# KiCad board s100_ColorMagic-1.1-004.kicad_pcb (continued)
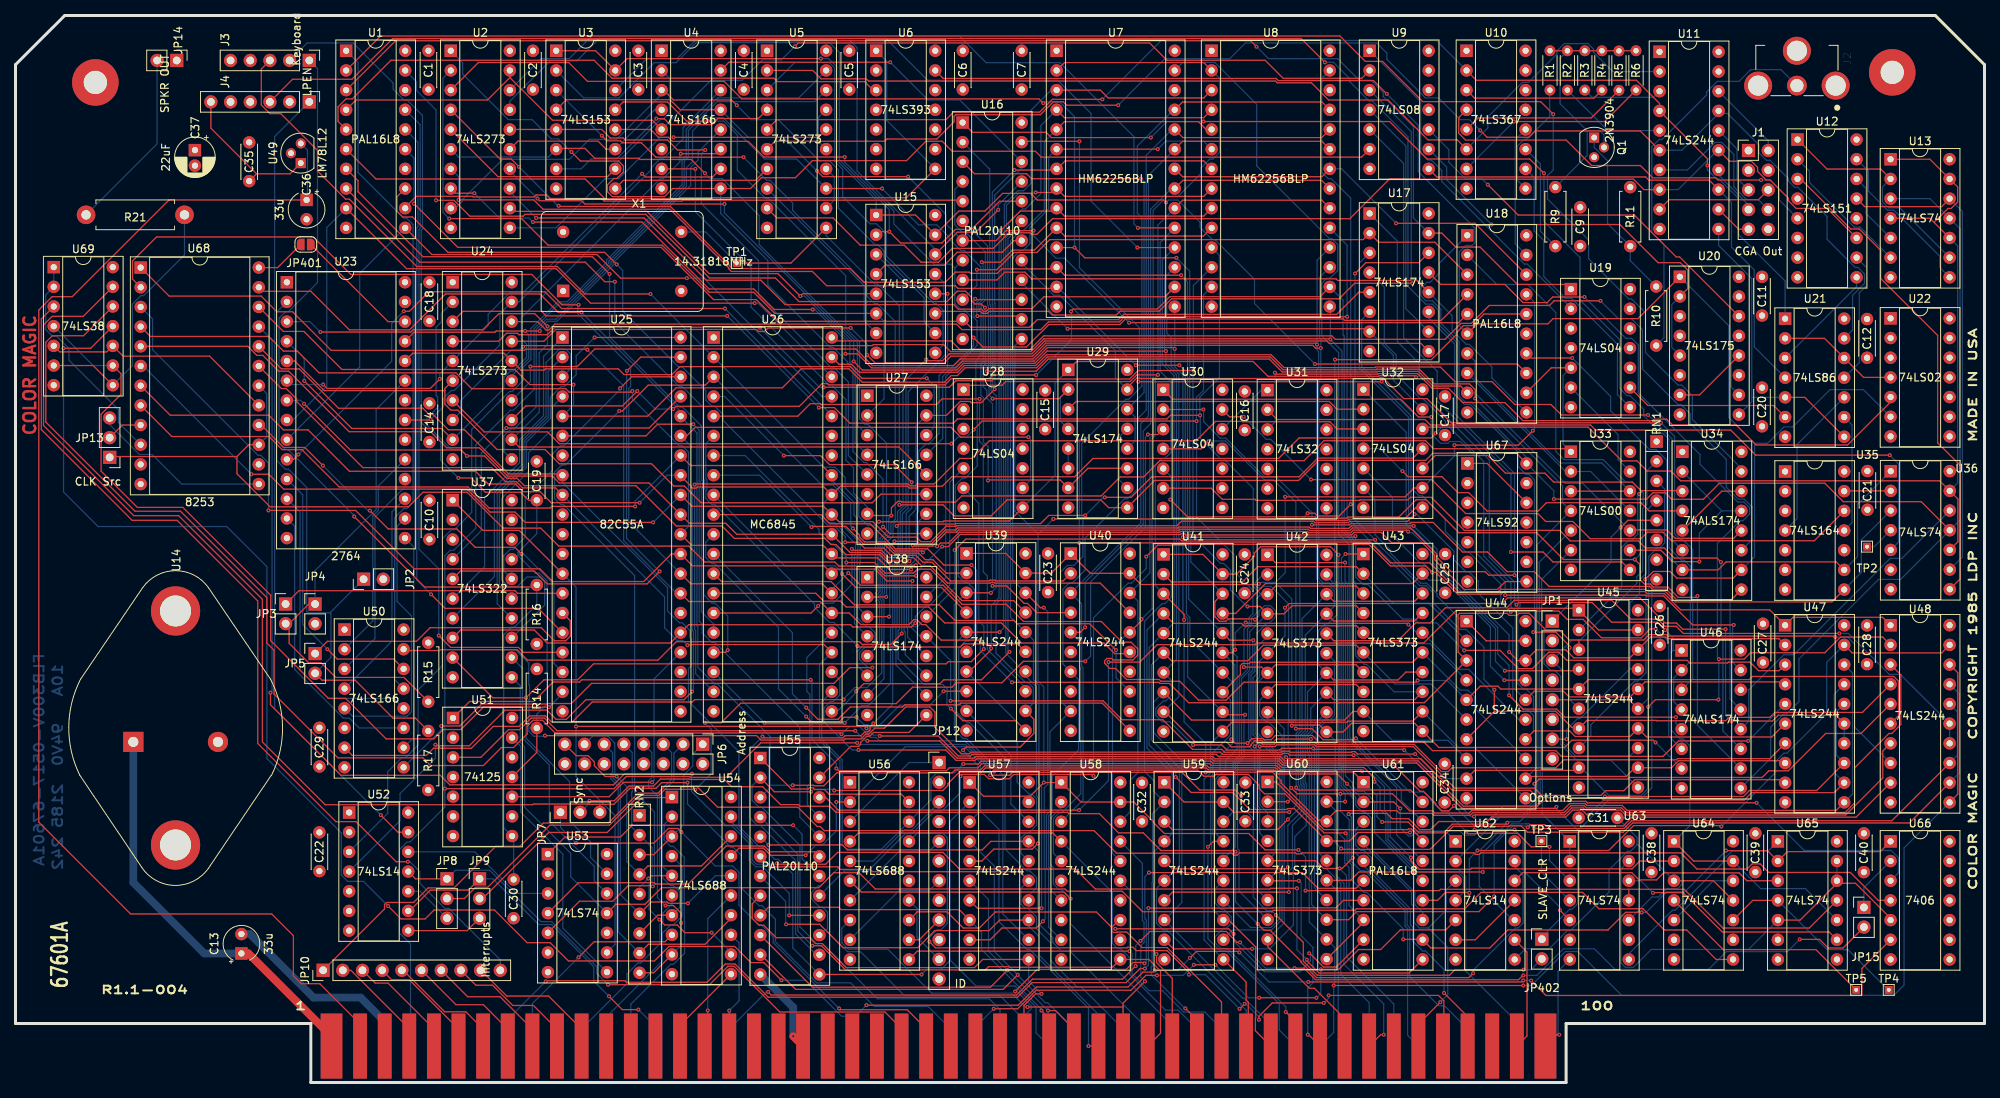
[diagram p0: board, top side]
## Routing (per net, layer and track width the routed paths; a pad name or vN(x,y) marks a point on that pad's centre or on a via; arc(x,y) is an arc through that point) (continued)
/VI0: length 13.9
  Component w0.152: P1.4 50.8,6.95 43.27,14.48 JP10.2
/VI1: length 14.6
  Component w0.152: P1.5 53.98,6.91 48.06,12.83 46.41,12.83 JP10.3
/VI2: length 15.2
  Component w0.152: JP10.4 48.49,13.28 50.77,13.28 57.15,6.9 P1.6
/VI3: length 15.8
  Component w0.152: P1.7 60.33,6.89 58.1,9.12 55.36,9.12 50,14.48 JP10.5
/VI4: length 16.5
  Component w0.152: 63.5,4.7 63.5,6.89 60.35,10.04 56.82,10.04 JP10.6
/VI5: length 17.1
  Component w0.152: P1.9 66.68,6.9 62.5,11.07 58.33,11.07 54.92,14.48
/VI6: length 17.7
  Component w0.152: JP10.8 59.39,12.56 61.53,12.56 64.14,9.94 66.81,9.94 69.85,6.9 P1.10
/VI7: length 18.4
  Component w0.152: 60,14.48 60.05,14.48 63.37,11.16 68.77,11.16 73.03,6.9 P1.11
/VSYNC_DLY: length 231
  Component w0.152: U20.1 209.31,98.59 198.35,98.59 197.68,97.91 188.55,97.91 U18.6 ; U34.10 221.59,65.1 214.29,65.1 213.44,65.95 211.26,65.95 v1(210.24,64.93) ; U6.13 119.68,129.58 162.61,129.58 162.89,129.3 175.18,129.3 v1(176.89,127.59)
  Copper w0.152: 224.34,82.49 226.01,82.49 228.13,84.61 229.26,84.61 234.08,89.43 238.37,89.43 U22.6 ; 224.34,82.49 224.34,67.85 U34.10 ; 224.34,82.49 221.01,85.83 221.01,97.67 U20.1 ; v1(176.89,127.59) 180.96,123.52 180.96,117.56 188.28,110.23 188.28,108.4 187.91,108.02 187.08,108.02 186.25,107.2 186.25,97.67 U18.6 ; U45.8 203.22,44.7 203.22,46.16 208.86,51.8 209.26,51.8 210.33,52.88 210.33,64.83 v1(210.24,64.93)
/WR: length 280.3
  Component w0.152: v1(176.3,33.62) 179.65,33.62 180.94,32.33 184.34,32.33 185.35,33.34 192.27,33.34 v1(192.45,33.52) ; U61.1 172.56,40.09 163.08,40.09 162.54,40.63 153.96,40.63 153.71,40.87 125,40.87 124.45,40.33 121.2,40.33 120.82,39.96 105.94,39.96 104.28,38.29 103.03,38.29 102.97,38.36 v1(100.26,38.36) ; v1(73.01,99.4) 70.02,99.4 67.64,101.77 55.46,101.77 50.82,97.13 43.08,97.13 38.1,102.11 31.91,102.11 U68.23
  Copper w0.152: v1(176.3,33.62) 175.62,34.31 175.62,37.03 U61.1 ; U62.10 193.15,20.96 188.82,25.28 188.82,29.43 189.05,29.66 189.05,30.12 v1(192.45,33.52) 192.59,33.66 194.03,33.66 196.68,36.31 196.68,48.03 196.56,48.16 196.56,67.15 U33.5 ; v1(73.01,99.4) 85.8,86.61 U25.36 85.8,85.94 87.91,83.83 87.91,77.51 88.06,77.36 88.06,76.97 87.91,76.82 87.91,58.93 88.02,58.82 88.02,53.59 90.17,51.44 90.56,51.44 97.34,44.66 97.34,38.36 ; 97.34,38.36 v1(100.26,38.36) ; 97.34,38.36 97.34,38.06 U55.3
A0: length 231.4
  Component w0.152: U68.19 34.29,89.56 34.91,89.56 36.27,88.2 36.27,87.88 44.8,79.36 61.4,79.36 63.24,77.52 64.63,77.52 65.41,76.74 69.66,76.74 U25.9 ; v1(145.64,15.37) 145.52,15.49 144.19,15.49 143.28,14.59 131.79,14.59 v1(128.95,11.75) ; v1(86.69,56.43) 86.77,56.52 104.3,56.52 U26.24 ; U61.6 172.91,25.06 168.03,25.06 165.99,27.09 v1(146.21,27.09)
  Copper w0.152: U55.15 104.33,19.65 104.56,19.65 ; U25.9 83.73,62.66 83.73,58.68 85.36,57.05 86.07,57.05 v1(86.69,56.43) ; 129.85,8.34 131.02,9.51 131.02,9.93 129.2,11.75 v1(128.95,11.75) ; 129.85,8.34 130.18,8.02 P1.79 ; 129.85,8.34 126.97,11.22 114.66,11.22 108.99,16.89 107.33,16.89 104.56,19.65 ; v1(146.21,27.09) 145.69,26.57 145.69,21.13 145.87,20.95 145.87,15.6 v1(145.64,15.37) ; U26.24 103.72,53.93 103.72,44.15 106.36,41.51 106.36,27.88 103.85,25.37 103.54,25.37 102.7,24.53 102.7,23.68 103.77,22.61 104.12,22.61 104.75,21.98 104.75,19.84 104.56,19.65
A1: length 183.6
  Component w0.152: U55.13 v1(116.87,13.94) ; U25.8 70.39,78.54 63.61,78.54 57.92,84.23 55.84,84.23 53.89,86.19 53.37,86.19 52.55,87.02 41.68,87.02 36.6,92.1 34.3,92.1 U68.20
  Copper w0.152: 120.58,15.78 119.42,14.62 117.56,14.62 v1(116.87,13.94) ; 120.58,15.78 123.9,12.46 128.92,12.46 131.65,9.73 131.65,6.4 P1.80 ; 120.58,15.78 120.58,33.69 123.08,36.2 ; U55.13 100.26,17.38 100.26,26.93 98.4,28.79 97.95,28.79 96.29,30.45 95.92,30.45 93.32,33.06 93.32,42.69 86.81,49.19 86.81,53.43 87.16,53.78 87.16,57.28 87,57.44 87,58.33 86,59.33 85.64,59.33 84.11,60.85 84.11,63.88 70.56,77.44 U25.8
A2: length 68
  Component w0.152: v1(129.28,13.9) 127.4,12.01 100.64,12.01 96.17,16.48 U55.11
  Copper w0.152: U57.4 126.27,27.93 126.27,16.92 v1(129.28,13.9) 129.28,13.85 132.85,10.29 133.15,10.29 136.53,6.91 P1.81
A3: length 63.1
  Component w0.152: v1(133.19,9.28) 134.17,9.28 136.53,6.92 P1.31 ; U55.10 102.8,12.3 125.77,12.3 v1(127.96,14.49)
  Copper w0.152: v1(133.19,9.28) 127.98,14.49 v1(127.96,14.49) 125.52,16.94 125.52,23.6 123.08,26.04
A4: length 48.6
  Component w0.152: v1(132.35,9.28) 133.35,8.28 P1.30 ; U55.9 97.13,22.61 106.21,22.61 106.51,22.32 121.72,22.32 U57.8
  Copper w0.152: U57.8 124.62,19.42 124.62,17.17 132.35,9.44 v1(132.35,9.28)
A5: length 55.4
  Component w0.152: U55.8 95.04,23.06 95.04,21.18 95.92,20.29 96.54,20.29 98.14,18.69 102.43,18.69 103.19,17.93 104.07,17.93 107.17,14.83 123.72,14.83 124.77,15.88 130.7,15.88 ; v1(132.35,11.44) 131.6,11.44 130.09,9.94 130.09,4.78 P1.29
  Copper w0.152: 130.7,15.88 130.7,13.09 v1(132.35,11.44)
A6: length 61.6
  Component w0.152: v1(99.41,20.42) 103.73,20.42 106.75,17.4 116.38,17.4 118.59,19.61 125.6,19.61 126.95,20.96 U57.13
  Copper w0.152: P1.82 139.7,8.77 132.02,16.45 132.02,18.86 130.7,20.18 U57.13 ; U55.7 99.35,23.37 99.35,20.48 v1(99.41,20.42)
A7: length 63.7
  Component w0.152: U55.6 97.43,27.83 106.09,27.83 106.43,27.49 110.27,27.49 110.55,27.21 129.53,27.21 130.7,26.04
  Copper w0.152: P1.83 142.88,6.93 137.5,12.31 136.96,12.31 133.54,15.72 133.54,18.01 131.71,19.84 131.71,21.38 130.61,22.47 130.26,22.47 129.69,23.04 129.69,25.03 130.7,26.04
A8: length 69.3
  Component w0.152: v1(97.14,30.66) 106.68,30.66 107.32,30.02 124.72,30.02 125.81,31.12 U57.17
  Copper w0.152: P1.84 146.05,6.92 135.96,17.01 134.88,17.01 133.82,18.07 133.82,18.67 132.08,20.41 132.08,22.08 131.89,22.27 131.89,24.78 132,24.89 132,29.82 U57.17 ; U55.5 v1(97.14,30.66)
A9: length 77.2
  Component w0.152: v1(102.8,17.65) 103.95,17.65 107.07,14.53 125.1,14.53 125.52,14.95 128.15,14.95 128.23,14.87 141.51,14.87 142.52,15.88 146.21,15.88 147.71,14.38 147.71,6.36 P1.34
  Copper w0.152: v1(102.8,17.65) 100.91,19.54 100.91,29.43 U55.4
A10: length 54.8
  Component w0.152: 141.41,20.03 139.43,22 126.4,22 124.34,19.94 122.26,19.94 120.16,22.03 116.34,22.03 U56.13 ; 141.41,20.03 141.41,19.6 141.64,19.36 142.04,19.36 142.1,19.43 143.33,19.43 145.34,17.41 148.56,17.41 155.58,10.4 P1.37 ; 141.41,20.03 142.34,20.96 U58.13
A11: length 58.2
  Component w0.152: v1(143.71,16.95) 116.34,16.95 115.27,15.88
  Copper w0.152: 142.52,26.04 143.71,24.85 v1(143.71,16.95) 144.03,16.63 144.03,14.04 146.23,11.85 147.95,11.85 150.7,9.09 153.42,9.09 155.58,6.94 P1.87
A12: length 72.3
  Component w0.152: 142.88,9.75 142.88,10.24 v1(145.69,13.06) ; 142.88,9.75 P1.33 ; 142.88,9.75 v1(130.55,9.75)
  Copper w0.152: U58.17 145.36,28.28 145.36,20.92 145.59,20.69 145.59,18.09 145.16,17.67 145.16,13.59 v1(145.69,13.06) ; U56.8 106.59,19.91 106.59,18.04 107.44,17.19 112.53,17.19 118.19,11.54 128.51,11.54 130.3,9.75 v1(130.55,9.75)
A13: length 68.1
  Component w0.152: v1(136.1,23.73) 135.25,24.58 109.11,24.58 107.65,26.04
  Copper w0.152: 134.9,36.2 134.9,35.5 133.56,34.16 133.56,28.06 133.9,27.72 133.9,25.62 134.62,24.9 134.93,24.9 v1(136.1,23.73) 136.1,20.47 149.23,7.35 P1.85
A14: length 102.3
  Component w0.152: v1(157.14,19.18) 156.49,19.84 v1(141.87,19.84) ; U58.4 133.81,32.21 108.74,32.21 U56.4 ; v1(166.88,16.68) 166.96,16.68 168.74,14.9 170.37,14.9 U61.9
  Copper w0.152: v1(157.14,19.18) 157.14,18.26 161.1,14.3 165.69,14.3 167.05,15.66 167.05,16.52 v1(166.88,16.68) ; 141.51,19.84 v1(141.87,19.84) ; 141.51,19.84 141.51,24.51 U58.4 ; 141.51,19.84 141.51,17.94 142.16,17.28 142.55,17.28 143.73,16.1 143.73,13.95 148.33,9.34 149.98,9.34 152.4,6.92 P1.86
A15: length 85.7
  Component w0.152: 107.65,36.2 v1(105.89,36.2) ; v1(101.93,29.32) 97.4,29.32 96.48,30.24 93.32,30.24 U54.17 ; P1.32 v1(138.42,4.7)
  Copper w0.152: 107.65,36.2 114.79,43.34 122.42,43.34 124.46,41.3 124.46,35.08 126.87,32.67 126.87,20.77 130.49,17.15 130.85,17.15 138.42,9.58 v1(138.42,4.7) ; v1(101.93,29.32) 103.24,30.63 104.05,30.63 105.89,32.47 v1(105.89,36.2)
A16: length 20.8
  Component w0.152: P1.16 89.3,5.09 v1(89.3,9.3)
  Copper w0.152: U54.15 89.3,21.14 v1(89.3,9.3)
A17: length 15.3
  Component w0.152: P1.17 v1(92.08,9.28)
  Copper w0.152: v1(92.08,9.28) 93.34,10.54 93.34,18.02 U54.13
A18: length 12
  Component w0.152: U54.11 85.72,7.41 P1.15
A19: length 27.2
  Component w0.152: v1(72.63,16.15) 74.64,18.16 83.78,18.16 U54.8
  Copper w0.152: v1(72.63,16.15) 66.68,10.19 P1.59
A20: length 24.5
  Copper w0.152: P1.61 73.03,6.93 78.88,12.78 78.88,14.01 80.29,15.43 80.66,15.43 83.12,17.89 83.12,20.39 83.52,20.79 83.52,21.86 84.68,23.02 U54.6
A21: length 29.3
  Copper w0.152: P1.62 76.2,8.44 83.45,15.69 83.45,19.26 84.52,20.33 84.84,20.33 85.98,21.47 85.98,27.92 U54.4
A22: length 34.4
  Copper w0.152: P1.63 79.38,10.11 84.52,15.25 84.87,15.25 86.31,16.69 86.31,20.78 86.27,20.83 86.27,29.09 84.86,30.49 84.49,30.49 83.68,31.31 83.68,33.29 U54.2
A23: length 45.1
  Component w0.152: v1(76.55,11.13) 78.28,9.41 v1(80.35,9.41) ; JP9.1 58.41,24.83 53.51,24.83 50.82,22.15 U52.9
  Copper w0.152: v1(76.55,11.13) 74.58,13.1 74.58,14.95 69.14,20.39 67.48,20.39 61.59,26.28 JP9.1 ; P1.64 82.55,7.21 v1(80.35,9.41)
ALPHA_DOTS: length 73.2
  Component w0.152: U1.12 50.27,112.95 51.69,114.37 58.94,114.37 59.03,114.28 66.89,114.28 67.14,114.54 68.47,114.54 68.93,114.08 75.61,114.08 75.93,113.77 85.98,113.77 86.08,113.87 122.05,113.87 U16.5
AT0: length 94.5
  Component w0.152: v1(55.95,111.49) 65.28,111.49 68.71,108.06 83.42,108.06 89.49,101.99 95.22,101.99 97.95,99.25 U15.6
  Copper w0.152: U15.6 112.04,98.24 112.04,88.25 109.88,86.09 ; U2.2 55.14,129.61 55.14,112.3 v1(55.95,111.49)
AT1: length 40.4
  Component w0.152: U2.5 62.24,116.91 76.36,116.91 77.37,117.92
  Copper w0.152: U4.2 84.36,129.61 84.36,125.12 83.54,124.3 83.23,124.3 77.37,118.45 77.37,117.92
AT2: length 78.4
  Component w0.152: U3.6 69.85,120.56 73.45,120.56 74.73,119.28 80.39,119.28 80.54,119.13 87.16,119.13 v1(88.94,117.34)
  Copper w0.152: v1(88.94,117.34) 89.64,116.64 91.17,116.64 95.95,111.87 95.95,108.13 108.59,95.48 108.59,84.84 U27.3 ; U3.6 68.74,119.45 57.16,119.45 U2.6
AT3: length 87.5
  Component w0.152: v1(93.04,126.12) 92.36,126.81 84.87,126.81 83.6,128.07 U4.3
  Copper w0.152: U2.9 56.75,112.84 57.63,113.72 57.63,113.93 62.84,119.14 71.45,119.14 74.04,121.72 77.54,121.72 83.35,127.53 U4.3 ; U15.10 117.21,98.15 117.21,101.29 112.03,106.46 112.03,107.32 111.21,108.14 110.85,108.14 106.14,112.86 106.14,117.81 105.04,118.92 103.73,118.92 98.39,124.27 94.9,124.27 v1(93.04,126.12)
AT4: length 76.5
  Component w0.152: U2.12 64.19,112.42 81.46,112.42 89.48,104.39 98.34,104.39 v1(101.24,101.5) 101.53,101.8 U15.5
  Copper w0.152: 109.88,81.01 108.31,82.58 108.31,92.23 107.63,92.91 107.63,95.65 101.78,101.5 v1(101.24,101.5)
AT5: length 22.5
  Component w0.152: 77.37,120.45 76.18,120.45 75.15,121.49 64.8,121.49 U2.15
  Copper w0.152: 77.37,120.45 82.45,125.53 U4.4
AT6: length 77.5
  Component w0.152: v1(88.98,120.35) 85.39,120.35 84.1,121.64 78.67,121.64 78.41,121.9 76.71,121.9 75.62,123 U3.5 U2.16
  Copper w0.152: v1(88.98,120.35) 88.48,119.86 88.48,113.43 95.86,106.06 95.86,101.63 105.15,92.34 105.51,92.34 107.44,90.42 107.44,80.91 U27.5
AT7: length 144.4
  Component w0.152: U2.19 63.77,129.69 ; 63.77,129.69 69.27,124.19 82.16,124.19 U4.5 ; 63.77,129.69 60.88,126.81 43.92,126.81 U1.4 ; U9.2 173.66,129.6 163.53,129.6 161.2,131.93 148.53,131.93 146.3,134.16 100.98,134.16 v1(100.54,133.73)
  Copper w0.152: U4.5 89.7,129.34 93.72,129.34 96.36,131.98 98.8,131.98 v1(100.54,133.73)
ATCLK: length 46.1
  Component w0.152: v1(84.88,121.98) 103.55,121.98 U5.16
  Copper w0.152: U2.11 69.72,110.3 76.06,116.64 77.83,116.64 83.16,121.98 v1(84.88,121.98)
B: length 155.9
  Component w0.152: U11.8 210.06,115.23 208.72,116.58 177.21,116.58 172.12,111.48 133.78,111.48 131.76,109.47 131.07,109.47 130.88,109.66 128.14,109.66 126.13,107.65 120.84,107.65 119.06,105.87 116.83,105.87 114.63,108.07 108.98,108.07 105.46,111.58 98.2,111.58 U5.9 ; U11.15 221.12,118.89 223.95,118.89 224.73,118.11 224.73,117.58 225.84,116.47 226.35,116.47 228.72,114.1 228.72,113.8 229.71,112.81 233.69,112.81 237.5,109 U12.11
  Copper w0.152: U11.8 214.49,115.23 219.57,120.31 U11.15
B_HSYNC_OUT: length 15.1
  Component w0.152: J1.6 224.83,113.93 213.31,113.93 U11.9
B_OUT: length 4.9
  Component w0.152: J1.9 222.28,110.12 U11.12
B_VSYNC_OUT: length 21.5
  Copper w0.152: U11.7 215.69,117.78 219.23,121.32 220.11,121.32 221.67,119.77 221.67,115.59 223.33,113.93 224.83,113.93 J1.8
BACKGROUND_I: length 51.8
  Component w0.152: U15.12 v1(120.24,101.8)
  Copper w0.152: U38.12 115.08,57.47 115.08,58.64 114.94,58.78 114.94,66.28 116.2,67.54 116.2,73.38 116.48,73.67 116.48,81.46 117.44,82.41 117.78,82.41 119.14,83.77 119.14,91.24 120.24,92.33 v1(120.24,101.8)
BLINK: length 76.9
  Component w0.152: U6.3 110.63,128.07 109.53,129.17 98.27,129.17 97.83,129.61 76.95,129.61 74.64,131.92 48.42,131.92 43.44,126.94 42.64,126.94 41.6,125.91 41.6,124.04 U1.5
BUS8V: length 70.5
  Component w1: P1.1 40.77,5.94 30.05,16.66 C13.1
  Copper w1: U14.1 15.2,25.81 24.35,16.66 C13.1 30.05,16.66 40.77,5.94 P1.1
BUS16V: length 172.4
  Component w0.152: P1.2 44.45,7.55 39.24,12.75 36.85,12.75 35.85,13.75 35.85,18.96 33.05,21.75 14.85,21.75 3.01,33.59 3.01,99.7 4.73,101.42 7.32,101.42 19.8,113.91 C36.1
  Copper w0.152: C36.1 37.66,114.01 37.66,120.34 U49.3
BW: length 60.7
  Component w0.152: U17.7 174.31,97.28 v1(135.72,97.28)
  Copper w0.152: U32.13 177.74,90.65 177.74,93.85 174.68,96.91 U17.7 ; U16.16 129.8,103.2 v1(135.72,97.28)
C0: length 149
  Component w0.152: U18.4 183.91,98.35 171.48,98.35 171.29,98.54 143.17,98.54 142.45,97.82 133.3,97.82 130.41,94.93 124.79,94.93 v1(123.58,96.13) ; 77.37,123 81.93,123 82.93,121.99 84.2,121.99 84.73,121.46 94.52,121.46 96.54,119.44 v1(106.98,119.44)
  Copper w0.152: 117.5,81.01 119.6,83.11 119.6,91.11 123.58,95.09 v1(123.58,96.13) 123.34,96.38 123.34,98.76 122.33,99.77 121.96,99.77 121.17,100.56 121.17,105.11 ; v1(106.98,119.44) 106.98,118.79 113.3,112.46 113.3,110.79 118.49,105.61 120.67,105.61 121.17,105.11 ; 121.17,105.11 U16.8
C1: length 132.6
  Component w0.152: U16.7 126.49,108.66 127.78,109.95 v1(131.33,109.95) ; v1(103.38,117.66) 104.13,116.91 v1(115.14,116.91) ; U3.4 71.06,126.84 84.43,126.84 85.74,125.53 U4.13 ; v1(143.65,98.06) 186.16,98.06 187.28,99.18 U18.5
  Copper w0.152: v1(131.33,109.95) 131.33,109.28 134.22,106.39 135.33,106.39 v1(143.65,98.06) ; v1(103.38,117.66) 99.08,121.96 94.54,121.96 U4.13 ; v1(115.14,116.91) 120.02,112.04 120.02,110.82 U16.7
CC0: length 121.4
  Component w0.152: v1(37.22,87.59) 43.18,81.63 57.47,81.63 v1(58.24,80.86) 60.5,80.86 63.38,77.98 64.69,77.98 65.65,77.02 80.03,77.02 85.23,71.82 91.13,71.82 92.73,70.22 104.42,70.22 105.21,69.42 105.83,69.42 107.14,68.12 111.46,68.12 112.83,66.76 v1(116.15,66.76)
  Copper w0.152: v1(37.22,87.59) 36.77,88.04 U23.7 ; U24.2 54.94,99.28 54.94,98.16 54.26,97.48 54.26,88.66 54.45,88.47 54.45,87.12 53.09,85.76 53.09,84.83 56.24,81.69 57.41,81.69 v1(58.24,80.86) ; U27.10 116.48,72.37 116.48,67.08 v1(116.15,66.76)
CC1: length 69.7
  Component w0.152: v1(80.84,117.28) 81.26,116.86 89.91,116.86 U4.10 ; v1(39.69,90.08) 40.19,89.57 53.51,89.57 v1(54.74,90.8)
  Copper w0.152: v1(54.74,90.8) 54.74,91.46 U24.5 60.97,97.7 60.97,99.14 63.74,101.9 65.46,101.9 v1(80.84,117.28) ; U23.6 35.5,90.08 v1(39.69,90.08)
CC2: length 93.3
  Component w0.152: 55.39,89.29 55.39,89.57 U24.6 ; 55.39,89.29 39.83,89.29 36,93.12 U23.5 ; 55.39,89.29 55.39,87.55 56.17,86.77 57.05,86.77 62.13,81.69 68.31,81.69 70.14,79.86 82.05,79.86 84.92,76.98 86.28,76.98 88.44,74.81 110.51,74.81 111.63,75.93 117.5,75.93
CC3: length 83.8
  Component w0.152: U24.9 54.95,84.41 43.38,84.41 v1(37.24,90.55) ; U4.11 90.39,119.87 v1(85.82,119.87)
  Copper w0.152: U24.9 63.01,89.57 63.01,91 63.82,91.81 64.16,91.81 65.92,93.57 65.92,95.27 65.26,95.93 65.26,98.73 83.17,116.64 83.54,116.64 85.7,118.8 85.7,119.75 v1(85.82,119.87) ; v1(37.24,90.55) 37.24,93.42 U23.4
CC4: length 107.7
  Component w0.152: v1(39.33,96.85) 50.98,96.85 51.28,97.14 60.27,97.14 62.35,99.23 66.97,99.23 v1(68.62,97.58) ; U27.12 113.96,82.02 64.96,82.02 U24.12
  Copper w0.152: U24.12 67.55,86.5 67.55,94.17 68.62,95.24 v1(68.62,97.58) ; U23.3 37.98,98.2 v1(39.33,96.85)
CC5: length 61.8
  Component w0.152: U23.25 51.42,96.83 61.85,96.83 62.01,96.99 v1(65.73,96.99) v1(67.64,96.99)
  Copper w0.152: v1(65.73,96.99) 66.2,96.52 66.2,93.42 64.02,91.24 U24.15 ; v1(67.64,96.99) 67.64,97.25 68.62,98.23 69.84,98.23 77.09,105.49 77.09,105.78 87.1,115.79 87.1,118.08 88.07,119.04 88.07,120.09 U4.12
CC6: length 78.2
  Component w0.152: U23.24 51.25,94.13 63.01,94.13 U24.16 65.2,91.94 68.17,91.94 68.33,92.1 77.76,92.1 78.5,91.36 84.67,91.36 85.69,92.39 107.68,92.39 109.19,90.88 v1(117.55,90.88)
  Copper w0.152: U27.14 118.51,84.56 118.51,89.92 v1(117.55,90.88)
CC7: length 62.3
  Component w0.152: v1(53.55,85.57) 53.48,85.5 U23.21
  Copper w0.152: U4.14 86.1,123.21 86.1,121.77 83.52,119.19 83.14,119.19 82.04,118.09 82.04,117.83 64.95,100.74 U24.19 62.48,99.2 62.48,95.2 56.59,89.31 56.23,89.31 55.19,88.28 55.19,87.22 v1(53.55,85.57)
CCLK: length 82.6
  Component w0.152: v1(128.22,55.58) 124.62,51.97 119.76,51.97 119.26,51.47 109.43,51.47 v1(108.45,50.5)
  Copper w0.152: v1(108.45,50.5) 108.45,50.33 106.01,47.9 U26.21 ; U16.19 129.8,110.67 128.03,108.9 128.03,55.77 v1(128.22,55.58)
CGROM11: length 36.6
  Component w0.152: JP3.1 36.56,63.47 64.42,63.47 64.76,63.14 U25.14
CGROM12: length 38.7
  Component w0.152: JP5.1 40.23,56.94 51.73,56.94 53.49,58.7 67.81,58.7 69.51,57 70.96,57 71.57,57.62 71.57,59.58 U25.15
CHG_DOTS: length 87.8
  Copper w0.152: U50.13 48.91,51.99 48.91,72.89 50.09,74.07 50.45,74.07 51.28,74.9 51.28,110.71 50.42,111.56 50.06,111.56 44.19,117.44 44.19,131.62 U1.1
CLOCK: length 14.9
  Component w0.152: 193.4,18.42 194.98,16.84 194.98,6 P1.49
COLOR_COMPOSITE: length 52.5
  Component w0.152: U10.4 186.17,124.53 186.17,122.51 187.06,121.62 200.04,121.62 203.32,118.34 209.61,118.34 211.2,116.75 219.34,116.75 219.63,116.47 v1(225.17,116.47)
  Copper w0.152: v1(225.17,116.47) 226.36,116.47 227.55,115.28 227.55,113.87 U12.5
COLOR_SEL: length 47.5
  Component w0.152: U16.15 123.9,101.03 v1(123.79,101.14)
  Copper w0.152: v1(123.79,101.14) 123.63,100.98 123.63,98.72 124.04,98.31 124.04,95.15 119.99,91.1 119.99,65.16 U38.15
COMPOSITE_SYNC: length 36.8
  Copper w0.152: U19.8 206.65,88.78 206.65,95.28 200.71,101.22 199.93,101.22 197.15,104 197.15,108.67 195.9,109.92 195.9,116.81 U10.10
CURSOR: length 118
  Component w0.152: v1(87.61,77.17) 87.69,77.25 115.17,77.25 115.42,77 116.08,77 116.34,77.25 118.52,77.25 121.8,80.54 123.35,80.54 125.63,82.82 152.3,82.82 154.8,85.33 158.27,85.33 158.32,85.28 169.54,85.28 170.47,84.35 U32.3
  Copper w0.152: U26.19 87.74,52.76 87.74,58.32 87.61,58.45 v1(87.61,77.17)
CURSOR_BLINK: length 98.6
  Component w0.152: U6.8 114.92,114.19 85.67,114.19 85.53,114.05 76.04,114.05 73.49,116.6 46.5,116.6 U1.6
  Copper w0.152: U6.8 112.38,124.18 112.38,131.8 U6.1
D3IN: length 147.8
  Component w0.152: U16.23 129.91,121.47 v1(137.25,121.47) ; v1(211.6,58.55) 210.89,58.55 209.73,57.39 204.59,57.39 202.22,59.77 200.16,59.77 199.08,60.84 193,60.84 v1(192.89,60.74) ; v1(176.23,90.47) 176.2,90.44 v1(144.84,90.44)
  Copper w0.152: v1(192.89,60.74) 191.59,62.04 191.59,64.34 187.47,68.47 187.11,68.47 184.44,71.14 184.44,72.75 181.48,75.71 181.05,75.71 180.3,76.46 180.3,86.4 v1(176.23,90.47) ; U46.6 213.26,44.73 213.26,56.89 v1(211.6,58.55) ; v1(137.25,121.47) 137.25,105.16 144.98,97.42 144.98,90.58 v1(144.84,90.44)
DA12: length 115.2
  Component w0.152: v1(107.03,69.72) 108.77,69.72 109.52,68.97 112.01,68.97 112.94,68.03 116.14,68.03 117.04,67.14 118.22,67.14 120.62,64.73 125.64,64.73 125.73,64.83 126.34,64.83 126.44,64.73 135.14,64.73 U40.2 ; v1(77.55,105.59) 75.99,107.14 55.78,107.14 51.22,111.7 49.95,111.7 49.21,112.44 49.21,114.32 U1.13
  Copper w0.152: v1(77.55,105.59) 78.32,104.81 78.32,99.57 85.55,92.34 86,92.34 89.06,89.29 89.06,88.07 89.86,87.27 90.22,87.27 91.28,86.2 91.28,85.44 104.89,71.83 105.65,71.83 107.03,70.45 v1(107.03,69.72)
DA13: length 144.6
  Component w0.152: v1(125.05,100) 124.58,100.47 123.77,100.47 123.32,100.93 123.32,101.35 122.54,102.12 121.49,102.12 120.16,100.79 101.06,100.79 98.02,103.83 89.51,103.83 81.29,112.04 65.73,112.04 65.49,111.8 58.61,111.8 56.56,113.86 v1(54.25,113.86) ; v1(126.04,64.09) 127.86,64.09 130.12,61.83 130.55,61.83 131.74,60.64 U40.4
  Copper w0.152: v1(125.05,100) 125.11,99.94 125.11,92.73 124.83,92.45 124.83,89.81 125.29,89.35 125.29,88.34 126.04,87.6 v1(126.04,64.09) ; U1.19 51.73,129.15 51.73,128.03 54.25,125.51 v1(54.25,113.86)
DI0: length 166
  Component w0.152: v1(164.12,36.24) 164.11,36.25 U60.2 ; v1(164.57,38.02) 165.33,37.26 v1(170.91,37.26) 177.65,37.26 179.84,35.07 182.8,35.07 183.1,34.77 187.53,34.77 187.86,35.1 199.58,35.1 200.48,36 202.47,36 202.71,35.75 207.26,35.75 207.9,35.12 234.87,35.12 U47.11
  Copper w0.152: 164.39,38.02 164.39,43.03 164.18,43.25 164.18,46.24 164.23,46.29 164.23,61.76 161.96,64.03 160.89,64.03 160.7,63.84 160.26,63.84 159.94,64.16 159.94,64.54 160.96,65.56 U42.2 ; 164.39,38.02 v1(164.57,38.02) ; 164.39,38.02 164.39,36.52 v1(164.12,36.24) ; P1.95 179.58,6.09 179.58,19.85 179.25,20.19 179.25,22.13 174.05,27.32 173.53,27.32 172.05,28.81 172.05,33.91 170.91,35.04 v1(170.91,37.26) ; U47.11 236.97,37.23 236.97,52.86 U47.18
DI1: length 152.9
  Component w0.152: v1(172.51,29) 171.13,27.62 v1(170.8,27.62) 168.73,27.62 167.72,28.63 U60.5 ; v1(202.97,34.55) 202.71,34.55 202.11,35.16 200.89,35.16 199.99,34.26 190.4,34.26 189.82,33.68 183.59,33.68 182.55,32.64 181.13,32.64 179.72,34.05 177.59,34.05 176.91,34.73 172.07,34.73 v1(171.97,34.63) ; v1(205.03,36.91) 222.9,36.91 223.68,37.69 232.35,37.69 U47.13
  Copper w0.152: 177.8,4.7 177.8,10.12 171.7,16.22 171.7,26.72 v1(170.8,27.62) ; v1(171.97,34.63) 172.33,34.27 172.33,29.18 v1(172.51,29) ; U47.13 234.89,42.24 234.89,47.85 U47.16 ; U42.5 161.51,57.58 160.18,56.25 160.18,52.77 159.65,52.25 159.65,44.85 162.53,41.97 162.53,29.63 U60.5 ; v1(205.03,36.91) 205.03,36.61 v1(202.97,34.55)
DI2: length 154.7
  Component w0.152: v1(163.76,61.27) 164.31,61.82 191.74,61.82 192.47,62.55 209.55,62.55 212.81,59.29 214.28,59.29 215.07,58.5 v1(220.6,58.5) ; U47.15 234.82,47.4 227.39,47.4 226.64,46.65 v1(221.35,46.65) ; v1(166.7,6.17) 166.81,6.17 P1.41 ; U60.6 161.58,26.03 v1(165.55,26.03)
  Copper w0.152: U47.15 U47.14 ; v1(165.55,26.03) 165.85,25.73 165.85,18.95 167.36,17.44 167.36,12.86 166.7,12.2 v1(166.7,6.17) ; v1(163.76,61.27) 163.76,57.66 U42.6 160.48,54.38 160.48,52.27 159.93,51.73 159.93,44.98 162.81,42.1 162.81,27.38 U60.6 ; v1(221.35,46.65) 220.6,47.39 v1(220.6,58.5)
DI3: length 138.6
  Component w0.152: v1(163.92,41.98) 164.11,41.79 181.29,41.79 185.37,37.71 195.4,37.71 196.34,36.77 204.52,36.77 204.84,36.45 223.01,36.45 223.96,37.41 234.61,37.41 U47.12 ; U60.9 161.53,17.54 166.9,12.16 167.54,12.16 171.45,8.26 P1.42
  Copper w0.152: 163.66,41.98 v1(163.92,41.98) ; 163.66,41.98 163.66,45.63 U42.9 ; 163.66,41.98 163.66,20.6 U60.9 ; U47.17 234.61,50.11 234.61,39.98 U47.12
DI4: length 169.6
  Component w0.152: v1(170.04,12.52) v1(194.51,12.52) ; U48.11 250.56,37.21 250.56,52.88 U48.18
  Copper w0.152: v1(170.04,12.52) 170.04,12.75 170.04,12.75 ; P1.91 170.04,6.47 170.04,12.75 ; v1(194.51,12.52) 195.53,12.52 199.92,16.9 201.54,16.9 207.19,11.25 242.31,11.25 243.62,12.56 243.62,30.28 U48.11 ; 170.04,12.75 170.19,12.9 170.19,17.43 U60.12 166.89,20.72 166.89,42.28 166.65,42.52 166.65,44.51 167.37,45.24 167.37,46.03 U42.12
DI5: length 151.1
  Component w0.152: v1(189.29,27.17) 173.3,27.17 172.22,26.09 U60.15 ; v1(195.87,32.78) 207.49,32.78 208.49,33.78 242.05,33.78 U48.13
  Copper w0.152: v1(195.87,32.78) 195.87,32.79 195.27,33.4 194.89,33.4 194.86,33.37 193.02,33.37 189.33,29.69 189.33,27.22 v1(189.29,27.17) ; P1.92 170.64,5.51 170.64,24.6 U60.15 167.85,27.38 167.85,43.31 167.79,43.38 167.79,45.79 168.78,46.78 169.57,46.78 170.14,47.35 170.14,54.39 U42.15 ; U48.13 250.51,42.24 250.51,47.85 U48.16
DI6: length 150
  Component w0.152: U42.16 170.05,57.02 178.33,57.02 180.63,59.31 182.5,59.31 184.46,61.27 192.37,61.27 193.34,62.23 205.92,62.23 208.36,59.8 211.86,59.8 212.79,58.87 214.24,58.87 215.16,57.96 v1(235.28,57.96)
  Copper w0.152: U42.16 170.44,56.63 170.44,47.19 169.72,46.47 168.9,46.47 168.09,45.67 168.09,43.47 168.13,43.43 168.13,29.64 U60.16 169.15,27.52 170.96,25.71 170.96,13.97 174.62,10.3 P1.93 ; U48.14 U48.15 243.15,52.66 241.73,52.66 236.44,57.96 v1(235.28,57.96)
DI7: length 165.4
  Component w0.152: U48.12 244.31,33.5 208.61,33.5 207.41,32.31 195.04,32.31 194.23,33.12 192.7,33.12 192.64,33.06 185.47,33.06 182.5,30.09 171.12,30.09 v1(171.01,30.2) ; U60.19 v1(171.53,36.25) ; P1.43 176.09,6.17 v1(176.5,6.17)
  Copper w0.152: U48.12 250.79,39.98 250.79,50.11 U48.17 ; v1(171.53,36.25) 171.53,37.29 170.73,38.09 170.73,63.75 169.12,65.36 U42.19 ; U60.19 170.24,35.16 170.24,30.97 v1(171.01,30.2) 170.34,29.53 170.34,26.74 171.37,25.71 171.37,15.27 176.5,10.14 v1(176.5,6.17)